# Altium PCB PCB_TEST.PcbDoc (part 4 of 6)
Units mil, origin at the board's own origin, x right, y up, seen from the top; angles counter-clockwise.
Board outline 6000 x 4000 mil, 2 copper layers (Top Layer, Bottom Layer); 1506 components, 800 nets, 4143 pads, 6 vias.
Unrouted connection lines stored in the file: 2993.
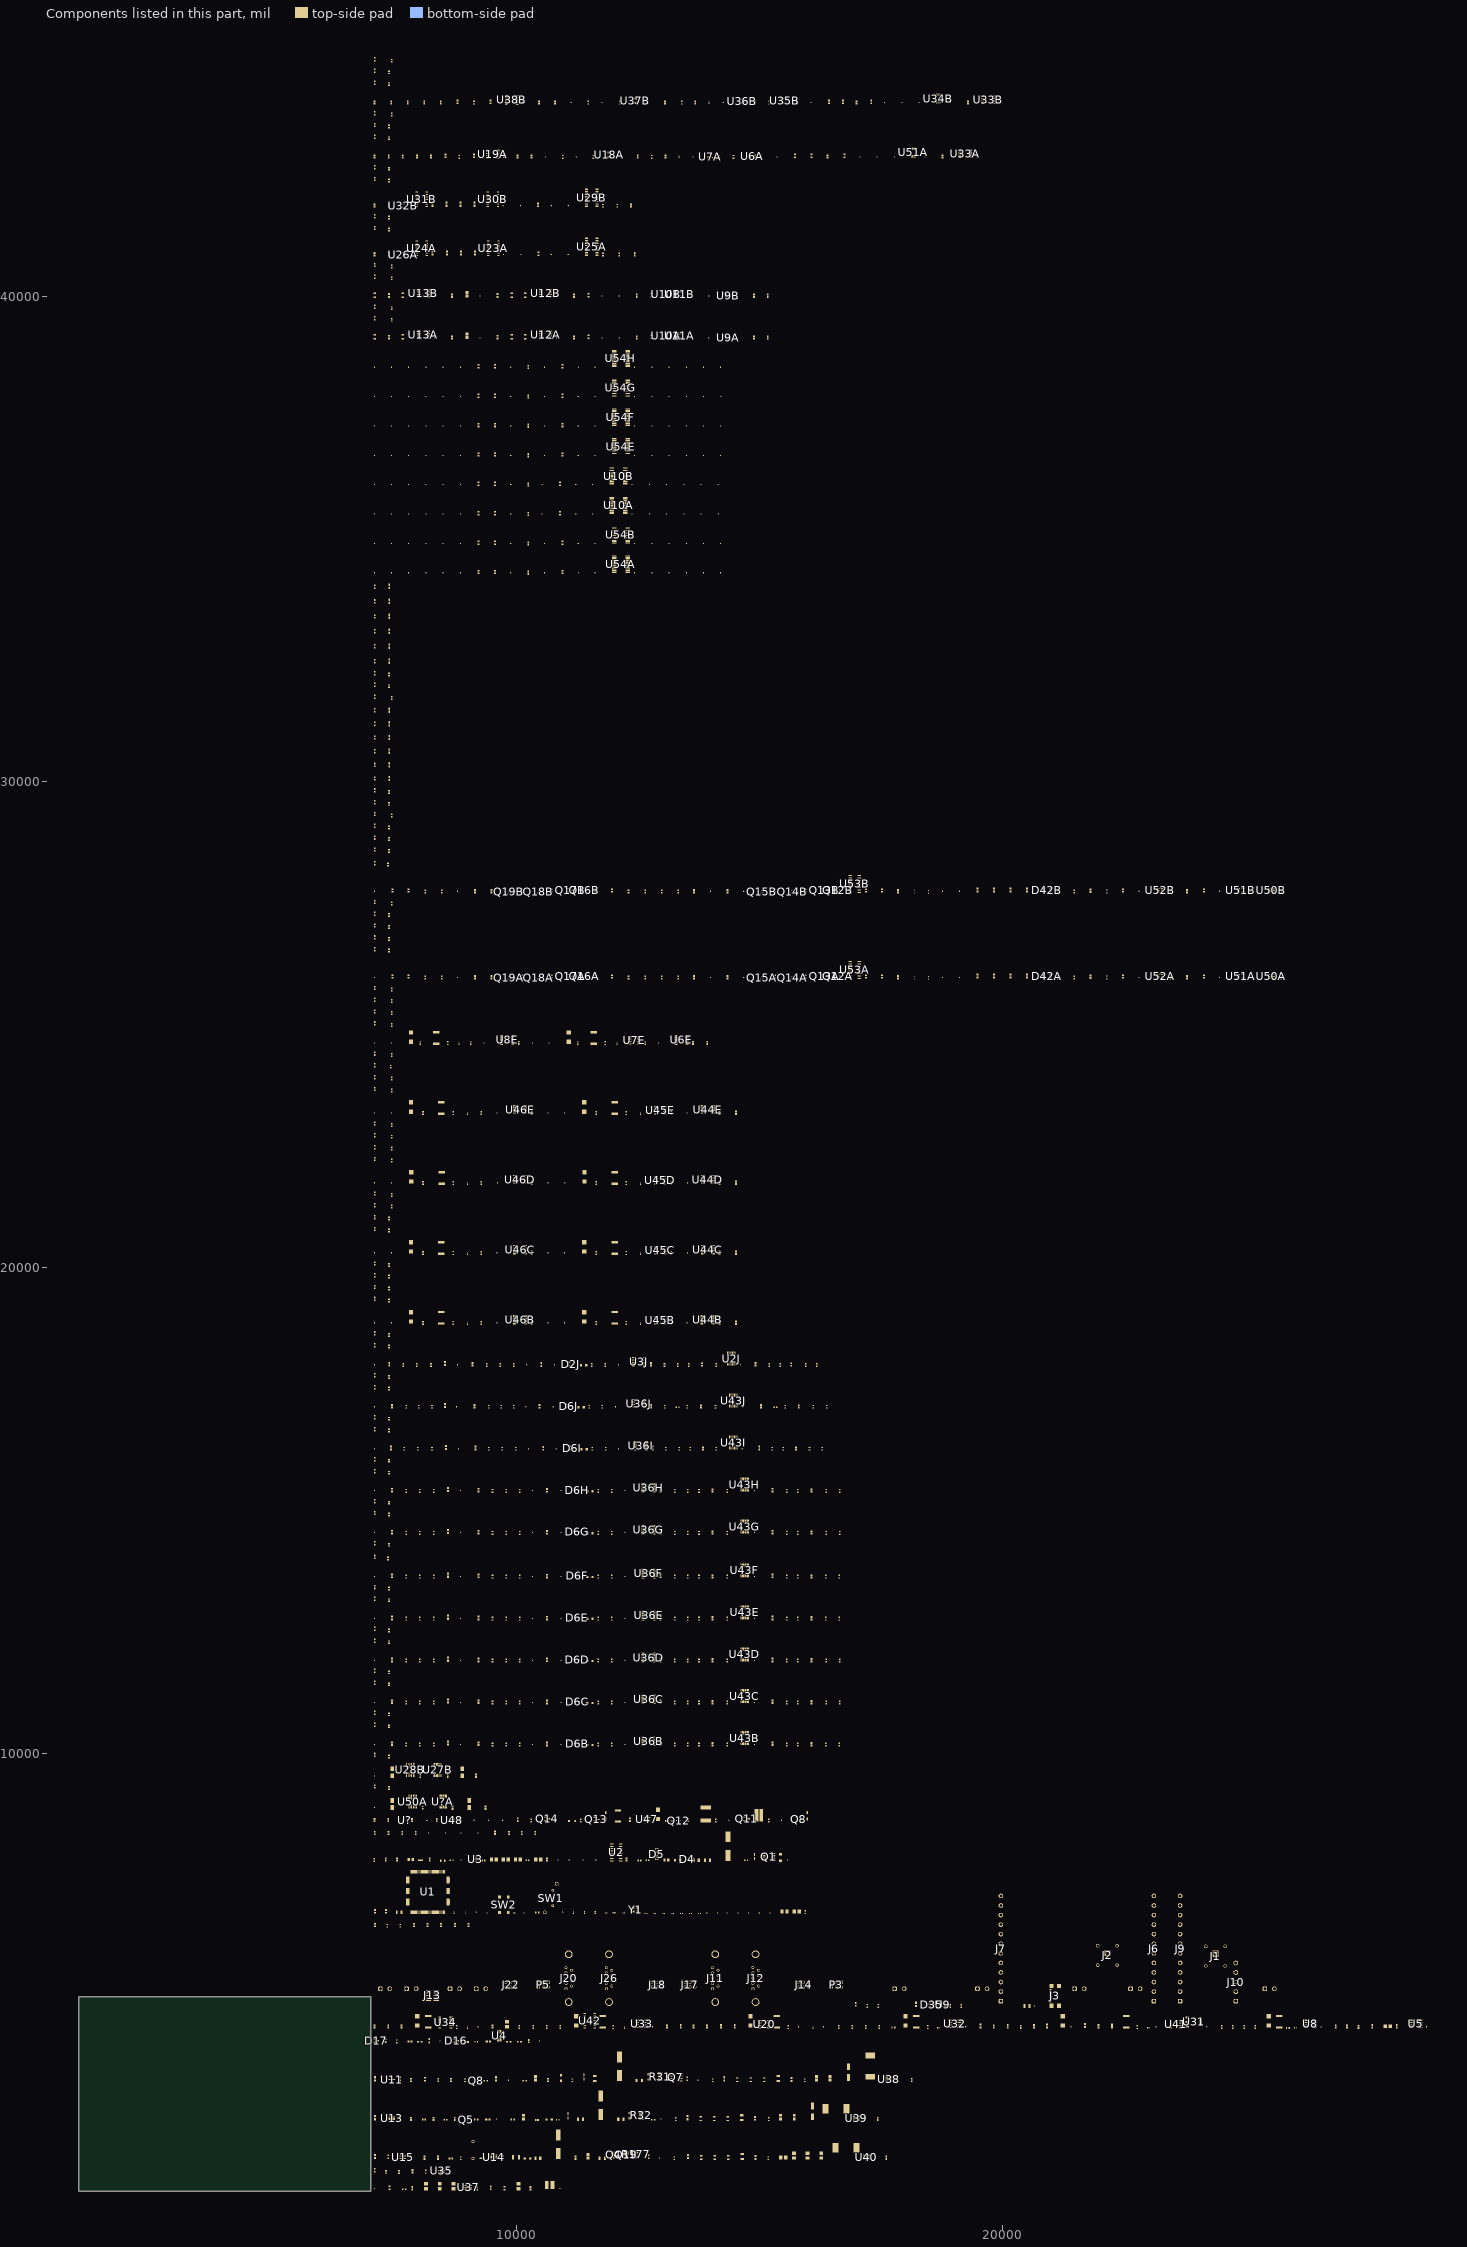
[diagram p4: the components of this part, seen from the top]

## Components (designator, comment, footprint, x,y, rotation, side; value= is the part's Value field where it differs from the comment) (continued)
U36H "74HC151PW,118" SOP65P640X110-16N 12725,15475 r0 top (schematic designator U3)
U36I "74HC151PW,118" SOP65P640X110-16N 12565,16340 r0 top (schematic designator U3)
U36J "74HC151PW,118" SOP65P640X110-16N 12525,17200 r0 top (schematic designator U3)
U37 "TPS561208DDCR" SOT95P280X110-6N 9010,1075 r0 top (schematic designator U49)
U37B "SN74LVC1T45DCKR" DCK0006A_M 12450,44020 r90 top (schematic designator U37)
U38 "LMR51625XDDCR" SOT95P280X110-6N 17670,3305 r0 top (schematic designator U41)
U38B "TRSF3221EIPWR" PW0016A_L 9905,44035 r0 top (schematic designator U38)
U39 "LMR51625XDDCR" SOT95P280X110-6N 17000,2500 r0 top (schematic designator U43)
U40 "LMR51625XDDCR" SOT95P280X110-6N 17205,1700 r0 top (schematic designator U45)
U41 "ISP762TFUMA1" INF-PG-DSO-8-3_L 23570,4435 r0 top value=70mΩ (schematic designator U20)
U42 "SN74AHCT125DR" D0014A_L 11510,4505 r0 top (schematic designator U25)
U43B "LM2901PWR" FP-PW0014A-IPC_B 14705,10320 r90 top (schematic designator U2)
U43C "LM2901PWR" FP-PW0014A-IPC_B 14705,11185 r90 top (schematic designator U2)
U43D "LM2901PWR" FP-PW0014A-IPC_B 14705,12045 r90 top (schematic designator U2)
U43E "LM2901PWR" FP-PW0014A-IPC_B 14705,12910 r90 top (schematic designator U2)
U43F "LM2901PWR" FP-PW0014A-IPC_B 14705,13775 r90 top (schematic designator U2)
U43G "LM2901PWR" FP-PW0014A-IPC_B 14705,14675 r90 top (schematic designator U2)
U43H "LM2901PWR" FP-PW0014A-IPC_B 14705,15540 r90 top (schematic designator U2)
U43I "LM2901PWR" FP-PW0014A-IPC_B 14465,16405 r90 top (schematic designator U2)
U43J "LM2901PWR" FP-PW0014A-IPC_B 14465,17265 r90 top (schematic designator U2)
U44B "TMUX4052PWR" SOP65P640X120-16N 13940,18930 r0 top (schematic designator U6)
U44C "TMUX4052PWR" SOP65P640X120-16N 13945,20370 r0 top (schematic designator U6)
U44D "TMUX4052PWR" SOP65P640X120-16N 13945,21810 r0 top (schematic designator U6)
U44E "TMUX4052PWR" SOP65P640X120-16N 13940,23250 r0 top (schematic designator U6)
U45B "OPA2990IDR" FP-D0008A-IPC_C 12965,18920 r0 top (schematic designator U7)
U45C "OPA2990IDR" FP-D0008A-IPC_C 12965,20360 r0 top (schematic designator U7)
U45D "OPA2990IDR" FP-D0008A-IPC_C 12965,21800 r0 top (schematic designator U7)
U45E "OPA2990IDR" FP-D0008A-IPC_C 12965,23240 r0 top (schematic designator U7)
U46B "TMUX4052PWR" SOP65P640X120-16N 10080,18930 r0 top (schematic designator U8)
U46C "TMUX4052PWR" SOP65P640X120-16N 10080,20370 r0 top (schematic designator U8)
U46D "TMUX4052PWR" SOP65P640X120-16N 10080,21810 r0 top (schematic designator U8)
U46E "TMUX4052PWR" SOP65P640X120-16N 10080,23250 r0 top (schematic designator U8)
U47 "UCC27517AQDBVRQ1" FP-DBV0005A-IPC_B 12690,8650 r0 top (schematic designator U14)
U48 "SN74LVC1T45DRLR" DRL0006A_M 8670,8635 r0 top (schematic designator U15)
U50A "TPS22918DBVR" FP-DBV0006A-IPC_B 25540,26000 r0 top (schematic designator U50)
U50A "SN65HVD230DR" FP-D0008A-IPC_A 7865,9015 r90 top (schematic designator U28)
U50B "TPS22918DBVR" FP-DBV0006A-IPC_B 25540,27770 r0 top (schematic designator U50)
U51A "TMUX1204DGSR" FP-DGS0010A-IPC_C 18175,42955 r90 top value=9Ω (schematic designator U34)
U51A "SN74LVC1G04DBVT" FP-DBV0005A-IPC_B 24910,26000 r0 top (schematic designator U51)
U51B "SN74LVC1G04DBVT" FP-DBV0005A-IPC_B 24910,27770 r0 top (schematic designator U51)
U52A "TPS22918DBVR" FP-DBV0006A-IPC_B 23250,26000 r0 top (schematic designator U52)
U52B "TPS22918DBVR" FP-DBV0006A-IPC_B 23250,27770 r0 top (schematic designator U52)
U53A "MC74HC238ADR2G" FP-751B-05-IPC_C 16965,26130 r0 top (schematic designator U53)
U53B "MC74HC238ADR2G" FP-751B-05-IPC_C 16965,27900 r0 top (schematic designator U53)
U54A "MCP23017-E/SS" SSOP-SS28_M 12155,34480 r0 top (schematic designator U54)
U54B "MCP23017-E/SS" SSOP-SS28_M 12155,35085 r0 top (schematic designator U54)
U54E "MCP23017-E/SS" SSOP-SS28_M 12155,36900 r0 top (schematic designator U54)
U54F "MCP23017-E/SS" SSOP-SS28_M 12155,37505 r0 top (schematic designator U54)
U54G "MCP23017-E/SS" SSOP-SS28_M 12155,38110 r0 top (schematic designator U54)
U54H "MCP23017-E/SS" SSOP-SS28_M 12155,38715 r0 top (schematic designator U54)
U? "SN74LVC1G3157DCKR" FP-DCK0006A-MFG 7705,8635 r0 top value=15Ω (schematic designator U16)
U?A "TMUX1511PWR" FP-PW0014A-IPC_B 8490,9015 r90 top (schematic designator U27)
Y1 "ECS-160-12-33-AGN-TR3" ECS1601233AGNTR3 12455,6790 r0 top
Y2 "NX3215SA-32.768KHZ-EXS00A-MU00525" FP-NX3215SA-MFG 7590,6735 r0 top

## Footprints (in the part's own frame and the unit in brackets; to place one, negate y for a bottom-side part, rotate by r counter-clockwise, add the part's x,y. Pads: shape width x height; smd on the part's side, far side on the other; paste and mask are expansions set on the pad)
61200621721 [mm] "6 pins, right angled, gold plating"
  rrect50% 1.6x1.6 hole 1.1: 1(2.54,8.805)
  round 1.6 hole 1.1: 2(2.54,6.265) 3(0,8.805) 4(0,6.265) 5(-2.54,8.805) 6(-2.54,6.265)
  silkscreen extent -7.72,-4.5 7.72,4.5, body extent -7.64,-4.43 7.64,9.12, height 9.23
62731020621 [mm] "Boc Header SMT type, 10p"
  rect 0.65x2.76 smd: 1(-2.54,-2.02) 2(-2.54,2.02) 3(-1.27,-2.02) 4(-1.27,2.02) 5(0,-2.02) 6(0,2.02) 7(1.27,-2.02) 8(1.27,2.02) 9(2.54,-2.02) 10(2.54,2.02)
  silkscreen extent -6.43,-4.03 6.43,2.6, body extent -6.35,-2.75 6.35,2.76, height 5.3
691313710002 [mm] "5.00mm - Closed Horizhontal PCB Header - -02p"
  rrect50% 2.4x2.4 hole 1.6: 1(-2.5,4)
  round 2.4 hole 1.6: 2(2.5,4)
  silkscreen extent -6,-6 6,6, body extent -6,-6 6,6, height 8.55
691313710005 [mm] "5.00mm - Closed Horizhontal PCB Header - -05p"
  rrect50% 2.4x2.4 hole 1.6: 1(-10,4)
  round 2.4 hole 1.6: 2(-5,4) 3(0,4) 4(5,4) 5(10,4)
  silkscreen extent -13.5,-6 13.5,6, body extent -13.5,-6 13.5,6, height 8.55
691313710012 [mm] "5.00mm - Closed Horizhontal PCB Header - -12p"
  rrect50% 2.4x2.4 hole 1.6: 1(-27.5,4)
  round 2.4 hole 1.6: 2(-22.5,4) 3(-17.5,4) 4(-12.5,4) 5(-7.5,4) 6(-2.5,4) 7(2.5,4) 8(7.5,4) 9(12.5,4) 10(17.5,4) 11(22.5,4) 12(27.5,4)
  silkscreen extent -31,-6 31,6, body extent -31,-6 31,6, height 8.55
ADI-R-8_L [mm] "SOIC, 8-Leads, Body 4.9x3.9mm, Pitch 1.27mm, IPC High Density"
  oval 1.9x0.6 smd: 1(-2.35,1.905) 2(-2.35,0.635) 3(-2.35,-0.635) 4(-2.35,-1.905) 5(2.35,-1.905) 6(2.35,-0.635) 7(2.35,0.635) 8(2.35,1.905)
  silkscreen extent -2.47,-2.5 1,2.88, body extent -2,-2.5 2,2.5, height 1.75
ASSMANN_A-DS_09_A_KG-T2S [mm]
  rect 1.508x1.508 / inner round 1.508 / far side rect 1.508x1.508 hole 1: 1(-5.54,1.42)
  round 1.508 hole 1: 2(-2.77,1.42) 3(0,1.42) 4(2.77,1.42) 5(5.54,1.42) 6(-4.155,-1.42) 7(-1.385,-1.42) 8(1.385,-1.42) 9(4.155,-1.42)
  round 4.066 hole 3.05: SH1(-12.495,0) SH2(12.495,0)
  silkscreen extent -15.41,-9.5 15.41,3.9, body extent -15.41,-15.55 15.41,3.05, height 12.8
CAPC0402(1005)60_L [mm] "Chip Capacitor, Body 1.0x0.5mm, Height 0.6mm, IPC High Density"
  rrect25% 0.5x0.55 smd: 1(-0.45,0) 2(0.45,0)
  silkscreen extent 0,-0.2 0,0.2, body extent -0.5,-0.25 0.5,0.25, height 0.6
CAPC0603(1608)100_L [mm] "Chip Capacitor, Body 1.6x0.8mm, Height 1.0mm, IPC High Density"
  rrect25% 0.66x0.76 smd: 1(-0.7,0) 2(0.7,0)
  silkscreen extent 0,-0.3 0,0.3, body extent -0.8,-0.4 0.8,0.4, height 0.95
CAPC1608X90X35LL15T15 [mm] "Chip Capacitor, 2-Leads, Body 1.60x0.81mm, IPC High Density"
  rect 0.85x0.9 smd: 1(-0.65,0) 2(0.65,0)
  body extent -0.88,-0.48 0.87,0.48, height 0.9
CAPC1608X90X40LL10T20 [mm] "Chip Capacitor, 2-Leads, Body 1.70x0.90mm, IPC High Density"
  rect 0.85x0.85 smd: 1(-0.575,0) 2(0.575,0)
  body extent -0.85,-0.45 0.85,0.45, height 0.9
CAPC1608X90X40NL10T20 [mm] "Chip Capacitor, 2-Leads, Body 1.70x0.90mm, IPC Medium Density"
  rect 0.95x0.95 smd: 1(-0.625,0) 2(0.625,0)
  body extent -0.85,-0.45 0.85,0.45, height 0.9
CAPC2113X120X50ML20T30 [mm] "Chip Capacitor, 2-Leads, Body 2.05x1.25mm, IPC Low Density"
  rect 1.55x1.55 smd: 1(-0.9,0) 2(0.9,0)
  body extent -1.13,-0.72 1.12,0.72, height 1.2
D0014A_L [mm] "SOIC, 14-Leads, Body 8.75x4mm, Pitch 1.27mm, IPC High Density"
  rrect18% 1.25x0.55 smd: 1(-2.625,3.81) 2(-2.625,2.54) 3(-2.625,1.27) 4(-2.625,0) 5(-2.625,-1.27) 6(-2.625,-2.54) 7(-2.625,-3.81) 8(2.625,-3.81) 9(2.625,-2.54) 10(2.625,-1.27) 11(2.625,0) 12(2.625,1.27) 13(2.625,2.54) 14(2.625,3.81)
  silkscreen extent -2.75,-4.38 1.6,4.76, body extent -3.02,-4.32 3.02,4.32, height 1.59
DCK0005A_N [mm] "SOT23, 5-Leads, Body 2.15x1.4mm, Pitch 0.65mm, IPC Medium Density"
  rrect25% 0.85x0.4 smd: 1(-1.125,0.65) 2(-1.125,0) 3(-1.125,-0.65) 4(1.125,-0.65) 5(1.125,0.65)
  silkscreen extent -1.25,-1.1 0.3,1.52, body extent -1.14,-1 1.14,1, height 0.94
DCK0006A_M [mm] "SOT23, 6-Leads, Body 2.15x1.4mm, Pitch 0.65mm, IPC Low Density"
  rrect22% 1.05x0.45 smd: 1(-1.225,0.65) 2(-1.225,0) 3(-1.225,-0.65) 4(1.225,-0.65) 5(1.225,0) 6(1.225,0.65)
  silkscreen extent -1.35,-1.1 0.3,1.55, body extent -1.14,-1 1.14,1, height 0.94
DFN6D_L [mm] "SON, 6-Leads, Body 3x3mm, Pitch 0.95mm, Thermal Pad 2.4x1.65mm, IPC High Density"
  oval 0.7x0.4 smd: 1(-1.425,0.95) 2(-1.425,0) 3(-1.425,-0.95) 4(1.425,-0.95) 5(1.425,0) 6(1.425,0.95)
  rect 1.65x2.4 smd: 7(0,0)
  silkscreen extent -2.15,-1.7 1.7,1.75, body extent -1.55,-1.55 1.55,1.55, height 0.95
DIOD-SOT23-3_A_V [mm] "SOT23, 3-Leads, Body 3x1.40mm, Pitch 0.915mm"
  rect 0.9x0.8 smd: 1(-1,0.915) 2(-1,-0.915) 3(1,0)
  silkscreen extent -1.12,-1.5 0.7,1.97, body extent -1.25,-1.5 1.25,1.5, height 1.1
DMP3036SFV7 [mm]
  rect 0.42x0.7 smd: 1(-0.975,-1.5) 2(-0.325,-1.5) 3(0.325,-1.5) 4(0.975,-1.5)
  rect 0.42x0.54 smd: 5(0.975,1.58) 6(0.325,1.58) 7(-0.325,1.58) 8(-0.975,1.58)
  rect 2.37x1.71 smd: 9(0,0.455)
  silkscreen extent -1.53,-2.3 1.53,1.53, body extent -1.65,-0.15 1.65,3.15, height 0.8
DRL0005A_M [mm] "SOT23, 5-Leads, Body 1.7x1.3mm, Pitch 0.5mm, IPC Low Density"
  rrect33% 0.8x0.3 smd: 1(-1.05,0.5) 2(-1.05,0) 3(-1.05,-0.5) 4(1.05,-0.5) 5(1.05,0.5)
  silkscreen extent -1.17,-0.85 0.25,1.32, body extent -0.65,-0.85 0.65,0.85, height 0.6
DRL0006A_M [mm] "SOT23, 6-Leads, Body 1.7x1.3mm, Pitch 0.5mm, IPC Low Density"
  rrect33% 0.75x0.3 smd: 1(-1.025,0.5) 2(-1.025,0) 3(-1.025,-0.5) 4(1.025,-0.5) 5(1.025,0) 6(1.025,0.5)
  silkscreen extent -1.15,-0.85 0.25,1.32, body extent -0.65,-0.85 0.65,0.85, height 0.6
ECS1601233AGNTR3 [mm]
  rect 1.3x1.1 smd: 1(-1.15,-0.9) 2(1.15,-0.9) 3(1.15,0.9) 4(-1.15,0.9)
  silkscreen extent -1.25,-2 0.2,1.25, body extent -1.69,-1.34 1.69,1.34, height 0.9
ESD501DPYR [mm]
  rect 0.3x0.5 smd: 1(-0.35,0) 2(0.35,0)
  silkscreen extent -1.1,-0.05 -1,0.05, body extent -0.5,-0.3 0.5,0.3, height 0.4
FAIR-DO-41-2_V [mm] "2-Leads, Axial leaded, Body 2.72x5.2mm, Pin Spacing 9mm"
  round 1.65 hole 1.15: 1(-4.5,0) 2(4.5,0)
  silkscreen extent -2.6,-1.36 2.6,1.36, body extent -4.93,-1.36 4.93,1.36, height 2.71
FCR7350B [mm]
  rect 3.3x3.3 hole 2.2: 1(0,0)
  round 1.8 hole 1.2: 2(-6.36,5.08) 3(-6.36,-5.08) 4(3.8,-5.08) 5(3.8,5.08)
  silkscreen extent -27.85,-6 6.1,6, body extent -27.51,-6.02 5.49,5.98, height 12.45
FCR7350R [mm]
  rect 3.3x3.3 hole 2.2: 1(0,0)
  round 1.8 hole 1.2: 2(-6.36,-5.08) 3(3.8,-5.08) 4(3.8,5.08) 5(-6.36,5.08)
  silkscreen extent -27.5,-6.6 5.5,6, body extent -27.5,-6 5.5,6, height 11.49
FP-0ZCM0001FF2G-MFG [mm]
  rect 0.6x0.8 smd paste+0 mask+0: 1(-0.7,0) 2(0.7,0)
  silkscreen extent 0,-0.5 0,0.5, body extent -1.1,-0.6 1.1,0.6, height 0.25
FP-0402-L_1_0_1-W_0_5_0_1-IPC_C [mil]
  rect 22.88x20.16 smd paste+0 mask+0: 1(-14.39,0) 2(14.39,0)
  silkscreen extent -26,-28 26,28, body extent -30,-16 30,16, height 10
FP-0466-MFG [mil]
  rect 45x80 smd paste+0 mask+0: 1(-52.5,0) 2(52.5,0)
  silkscreen extent -15,-32 15,32, body extent -79,-44 79,44, height 10
FP-751B-05-IPC_C [mil]
  rect 73x20.74 smd paste+0 mask+0: 1(-91.58,175)
  rrect100% 73x20.74 smd paste+0 mask+0: 2(-91.58,125) 3(-91.58,75) 4(-91.58,25) 5(-91.58,-25) 6(-91.58,-75) 7(-91.58,-125) 8(-91.58,-175) 9(91.58,-175) 10(91.58,-125) 11(91.58,-75) 12(91.58,-25) 13(91.58,25) 14(91.58,75) 15(91.58,125) 16(91.58,175)
  silkscreen extent -153,-195 35,195, body extent -132,-199 132,199, height 10
FP-AC0603-IPC_C [mil]
  rect 25.93x31.97 smd paste+0 mask+0: 1(-26.64,0) 2(26.64,0)
  silkscreen extent -40,-33 40,33, body extent -44,-22 44,22, height 10
FP-BLM15-0_05-IPC_A [mil]
  rect 28.16x26.48 smd paste+0 mask+0: 1(-18.84,0) 2(18.84,0)
  silkscreen extent -33,-29 33,29, body extent -41,-21 41,21, height 10
FP-C0603C-CF-IPC_B [mil]
  rect 39.63x37.73 smd paste+0 mask+0: 1(-28.58,0) 2(28.58,0)
  silkscreen extent -48,-35 48,35, body extent -58,-29 58,29, height 10
FP-C0603C-CF-MFG [mm]
  rect 0.75x0.9 smd paste+0 mask+0: 1(-0.6,0) 2(0.6,0)
  silkscreen extent -0.87,-0.85 0.88,0.85, body extent -1.2,-0.6 1.2,0.6, height 0.25
FP-C-06527-IPC_B [mil]
  rect 72.24x23.03 smd paste+0 mask+0: 1(-99.83,75)
  rrect100% 72.24x23.03 smd paste+0 mask+0: 2(-99.83,25) 3(-99.83,-25) 4(-99.83,-75) 5(99.83,-75) 6(99.83,-25) 7(99.83,25) 8(99.83,75)
  silkscreen extent -164,-96 44,96, body extent -146,-106 146,106, height 10
FP-CC0402-IPC_C [mil]
  rect 18.43x18.6 smd paste+0 mask+0: 1(-15.83,0) 2(15.83,0)
  silkscreen extent -25,-27 25,27, body extent -29,-15 29,15, height 10
FP-CC0603-DB-IPC_B [mil]
  rect 43.55x37.73 smd paste+0 mask+0: 1(-26.62,0) 2(26.62,0)
  silkscreen extent -48,-35 48,35, body extent -58,-29 58,29, height 10
FP-CC0603-DC-IPC_B [mil]
  rect 45.47x39.61 smd paste+0 mask+0: 1(-26.6,0) 2(26.6,0)
  silkscreen extent -49,-36 49,36
FP-CPF0603-MFG [mm]
  rect 1x0.9 smd paste+0 mask+0: 1(-0.9,0) 2(0.9,0)
  silkscreen extent -0.82,-0.82 0.82,0.82, body extent -1.5,-0.55 1.5,0.55, height 0.25
FP-CRCW0603-e3-IPC_C [mil]
  rect 28.94x33.94 smd paste+0 mask+0: 1(-24.23,0) 2(24.23,0)
  silkscreen extent -30,-33 30,33, body extent -43,-23 43,23, height 10
FP-CRCW0603-HPe3-MFG [mm]
  rect 0.75x1 smd paste+0 mask+0: 1(-0.75,0) 2(0.75,0)
  silkscreen extent -0.8,-0.9 0.8,0.9, body extent -1.22,-0.6 1.22,0.6, height 0.25
FP-CRGCQ0603-IPC_A [mil]
  rect 45.6x39.85 smd paste+0 mask+0: 1(-32.56,0) 2(32.56,0)
  silkscreen extent -55,-36 55,36, body extent -75,-40 75,40, height 10
FP-CRGCQ0603-IPC_C [mil]
  rect 29.85x31.97 smd paste+0 mask+0: 1(-24.68,0) 2(24.68,0)
  silkscreen extent -40,-33 40,33, body extent -44,-22 44,22, height 10
FP-CRGCQ2512-IPC_B [mil]
  rect 45.6x134.1 smd paste+0 mask+0: 1(-118.19,0) 2(118.19,0)
  silkscreen extent -84,-67 84,67, body extent -151,-77 151,77, height 10
FP-CRGP0603-IPC_C [mil]
  rect 29.85x31.97 smd paste+0 mask+0: 1(-24.68,0) 2(24.68,0)
  silkscreen extent -40,-33 40,33, body extent -44,-22 44,22, height 10
FP-CRGP2512-IPC_C [mil]
  rect 37.72x130.17 smd paste+0 mask+0: 1(-114.25,0) 2(114.25,0)
  silkscreen extent -84,-67 84,67, body extent -137,-71 137,71, height 10
FP-D0008A-IPC_A [mil]
  rect 97.21x24.49 smd paste+0 mask+0: 1(-95.02,75)
  rrect100% 97.21x24.49 smd paste+0 mask+0: 2(-95.02,25) 3(-95.02,-25) 4(-95.02,-75) 5(95.02,-75) 6(95.02,-25) 7(95.02,25) 8(95.02,75)
  silkscreen extent -170,-97 27,97, body extent -163,-116 163,116, height 10
FP-D0008A-IPC_B [mil]
  rect 85.4x22.92 smd paste+0 mask+0: 1(-93.06,75)
  rrect100% 85.4x22.92 smd paste+0 mask+0: 2(-93.06,25) 3(-93.06,-25) 4(-93.06,-75) 5(93.06,-75) 6(93.06,-25) 7(93.06,25) 8(93.06,75)
  silkscreen extent -162,-97 31,97, body extent -146,-106 146,106, height 10
FP-D0008A-IPC_C [mil]
  rect 73.59x21.34 smd paste+0 mask+0: 1(-91.09,75)
  rrect100% 73.59x21.34 smd paste+0 mask+0: 2(-91.09,25) 3(-91.09,-25) 4(-91.09,-75) 5(91.09,-75) 6(91.09,-25) 7(91.09,25) 8(91.09,75)
  silkscreen extent -154,-97 35,97, body extent -132,-100 132,100, height 10
FP-DBV0005A-IPC_B [mm]
  rect 1.505x0.572 smd paste+0 mask+0: 1(-1.1,0.95)
  rrect100% 1.505x0.572 smd paste+0 mask+0: 2(-1.1,0) 3(-1.1,-0.95) 4(1.1,-0.95) 5(1.1,0.95)
  silkscreen extent -2.65,-1.7 1.4,1.7, body extent -2.1,-1.7 2.1,1.7, height 0.25
FP-DBV0006A-IPC_B [mm]
  rect 1.505x0.57 smd paste+0 mask+0: 1(-1.1,0.95)
  rrect100% 1.505x0.57 smd paste+0 mask+0: 2(-1.1,0) 3(-1.1,-0.95) 4(1.1,-0.95) 5(1.1,0) 6(1.1,0.95)
  silkscreen extent -2.53,-1.7 1.4,1.7, body extent -2.1,-1.7 2.1,1.7, height 0.25
FP-DCK0006A-IPC_A [mm]
  rect 1.677x0.416 smd paste+0 mask+0: 1(-0.914,0.65)
  rrect100% 1.677x0.416 smd paste+0 mask+0: 2(-0.914,0) 3(-0.914,-0.65) 4(0.914,-0.65) 5(0.914,0) 6(0.914,0.65)
  silkscreen extent -2.45,-1.25 1.05,1.25, body extent -2.25,-1.5 2.25,1.5, height 0.25
FP-DCK0006A-MFG [mm]
  rect 0.9x0.4 smd paste-1000 mask+0: 1(-1.1,0.65) 2(-1.1,0) 3(-1.1,-0.65) 4(1.1,-0.65) 5(1.1,0) 6(1.1,0.65)
  silkscreen extent -2.22,-1.07 0.27,1.07, body extent -1.65,-1.33 1.65,1.33, height 0.25
FP-DGK0008A-IPC_A [mm]
  rect 1.857x0.498 smd paste+0 mask+0: 1(-2.151,0.975)
  rrect100% 1.857x0.498 smd paste+0 mask+0: 2(-2.151,0.325) 3(-2.151,-0.325) 4(-2.151,-0.975) 5(2.151,-0.975) 6(2.151,-0.325) 7(2.151,0.325) 8(2.151,0.975)
  silkscreen extent -3.98,-1.5 0.85,1.5, body extent -3.58,-2 3.58,2, height 0.25
FP-DGS0010A-IPC_C [mm]
  rect 1.257x0.312 smd paste+0 mask+0: 1(-2.051,1)
  rrect100% 1.257x0.312 smd paste+0 mask+0: 2(-2.051,0.5) 3(-2.051,0) 4(-2.051,-0.5) 5(-2.051,-1) 6(2.051,-1) 7(2.051,-0.5) 8(2.051,0) 9(2.051,0.5) 10(2.051,1)
  silkscreen extent -3.35,-1.5 0.92,1.5, body extent -2.78,-1.6 2.78,1.6, height 0.25
FP-EVQ-Q2503W-MFG [mm]
  rect 1.6x1.4 smd paste+0 mask+0: A(4.05,-2.25) A'(-4.05,-2.25) B(4.05,2.25) B'(-4.05,2.25)
  silkscreen extent -3.35,-3.1 5.57,3.1, body extent -4.95,-3.2 4.95,3.2, height 0.25
FP-F0402G-MFG [mm]
  rect 0.31x0.55 smd paste+0 mask+0: 1(-0.42,0) 2(0.42,0)
  silkscreen extent -0.53,-0.68 0.53,0.68, body extent -0.67,-0.41 0.67,0.41, height 0.25
FP-GCJ31C-0_4-IPC_B [mil]
  rect 69x78.86 smd paste+0 mask+0: 1(-50.21,0) 2(50.21,0)
  silkscreen extent -85,-55 85,55, body extent -95,-49 95,49, height 10
FP-GJM155-0_05-IPC_A [mil]
  rect 28.16x26.48 smd paste+0 mask+0: 1(-18.84,0) 2(18.84,0)
  silkscreen extent -33,-29 33,29, body extent -41,-21 41,21, height 10
FP-GRM21B-0_2-e0_2_0_7-MFG [mm]
  rect 0.7x1.3 smd paste+0 mask+0: 1(-0.95,0) 2(0.95,0)
  silkscreen extent -0.23,-0.72 0.23,0.72, body extent -1.4,-0.82 1.4,0.82, height 0.25
FP-GRM21B-0_15-IPC_A [mil]
  rect 55.34x59.38 smd paste+0 mask+0: 1(-36.47,0) 2(36.47,0)
  silkscreen extent -64,-45 64,45, body extent -84,-49 84,49, height 10
FP-GRM31C-0_2-e0_3_0_8-IPC_C [mil]
  rect 45.46x67.17 smd paste+0 mask+0: 1(-50.23,0) 2(50.23,0)
  silkscreen extent -16,-35 16,35, body extent -77,-39 77,39, height 10
FP-GRM188-0_2-IPC_C [mil]
  rect 35.63x35.68 smd paste+0 mask+0: 1(-23.64,0) 2(23.64,0)
  silkscreen extent -41,-35 41,35, body extent -45,-24 45,24, height 10
FP-L4T12-MFG [mm]
  rect 1.75x1.1 smd paste+0 mask+0: 1(-1.375,0.7) 2(1.375,0.7) 3(-1.375,-0.7) 4(1.375,-0.7)
  silkscreen extent -3,-0.9 0.13,0.9, body extent -2.35,-1.35 2.35,1.35, height 0.25
FP-LTR100-IPC_A [mil]
  rect 82.12x262.13 smd paste+0 mask+0: 1(-46.7,0) 2(46.7,0)
  silkscreen extent -88,-147 88,147, body extent -107,-151 107,151, height 10
FP-LTST-C193KGKT-5A-MFG [mm]
  rect 0.8x0.8 smd paste+0 mask+0: 1(-0.75,0) 2(0.75,0)
  silkscreen extent -1.82,-0.77 0.85,0.77, body extent -1.25,-0.55 1.25,0.55, height 0.25
FP-LTST-C193KRKT-5A-MFG [mm]
  rect 0.8x0.8 smd paste+0 mask+0: 1(-0.75,0) 2(0.75,0)
  silkscreen extent -1.82,-0.82 0.7,0.82, body extent -1.25,-0.55 1.25,0.55, height 0.25
FP-LTST-C193TBKT-5A-MFG [mm]
  rect 0.8x0.8 smd paste+0 mask+0: 1(-0.75,0) 2(0.75,0)
  silkscreen extent -1.85,-0.8 0.85,0.8, body extent -1.25,-0.55 1.25,0.55, height 0.25
FP-MCS0402-IPC_B [mil]
  rect 22.26x22.54 smd paste+0 mask+0: 1(-17.86,0) 2(17.86,0)
  silkscreen extent -29,-27 29,27, body extent -35,-17 35,17, height 10
FP-MCS1632-MFG [mm]
  rect 2.5x1.84 smd paste+0 mask+0: 1(-1.85,0) 2(1.85,0)
  silkscreen extent -0.23,-0.9 0.23,0.9, body extent -3.2,-1.02 3.2,1.02, height 0.25
FP-MCT0603-IPC_A [mil]
  rect 41.88x41.82 smd paste+0 mask+0: 1(-32.65,0) 2(32.65,0)
  silkscreen extent -54,-37 54,37, body extent -73,-41 73,41, height 10
FP-MCT0603-IPC_C [mil]
  rect 26.13x33.94 smd paste+0 mask+0: 1(-24.78,0) 2(24.78,0)
  silkscreen extent -38,-34 38,34, body extent -42,-23 42,23, height 10
FP-MVYAKE0-MFG [mm]
  rect 5.7x2.5 smd paste+0 mask+0: 1(-4.85,0) 2(4.85,0)
  silkscreen extent -8.37,-6.6 6.6,6.6, body extent -7.95,-6.85 7.95,6.85, height 0.25
FP-NX3215SA-MFG [mm]
  rect 1x1.8 smd paste+0 mask+0: 1(-1.25,0) 2(1.25,0)
  silkscreen extent -0.38,-0.8 0.38,0.8, body extent -1.85,-1 1.85,1, height 0.25
FP-OS-CON-SMT-C6-MFG [mm]
  rect 3.5x1.6 smd paste+0 mask+0: 1(-2.8,0) 2(2.8,0)
  silkscreen extent -5.22,-3.4 3.4,3.4, body extent -4.8,-3.65 4.8,3.65, height 0.25
FP-PW0014A-IPC_B [mm]
  rect 1.655x0.381 smd paste+0 mask+0: 1(-2.825,1.95)
  rrect100% 1.655x0.381 smd paste+0 mask+0: 2(-2.825,1.3) 3(-2.825,0.65) 4(-2.825,0) 5(-2.825,-0.65) 6(-2.825,-1.3) 7(-2.825,-1.95) 8(2.825,-1.95) 9(2.825,-1.3) 10(2.825,-0.65) 11(2.825,0) 12(2.825,0.65) 13(2.825,1.3) 14(2.825,1.95)